# Altium PCB DIO-BNC.PCBDOC (part 2 of 3)
Units mil, origin at the board's own origin, x right, y up, seen from the top; angles counter-clockwise.
Board outline 2496.06 x 3937 mil, 4 copper layers (TopLayer, Internal Plane 2, Internal Plane 1, BottomLayer), stack 65.476 mil thick; 196 components, 123 nets, 666 pads, 397 vias.
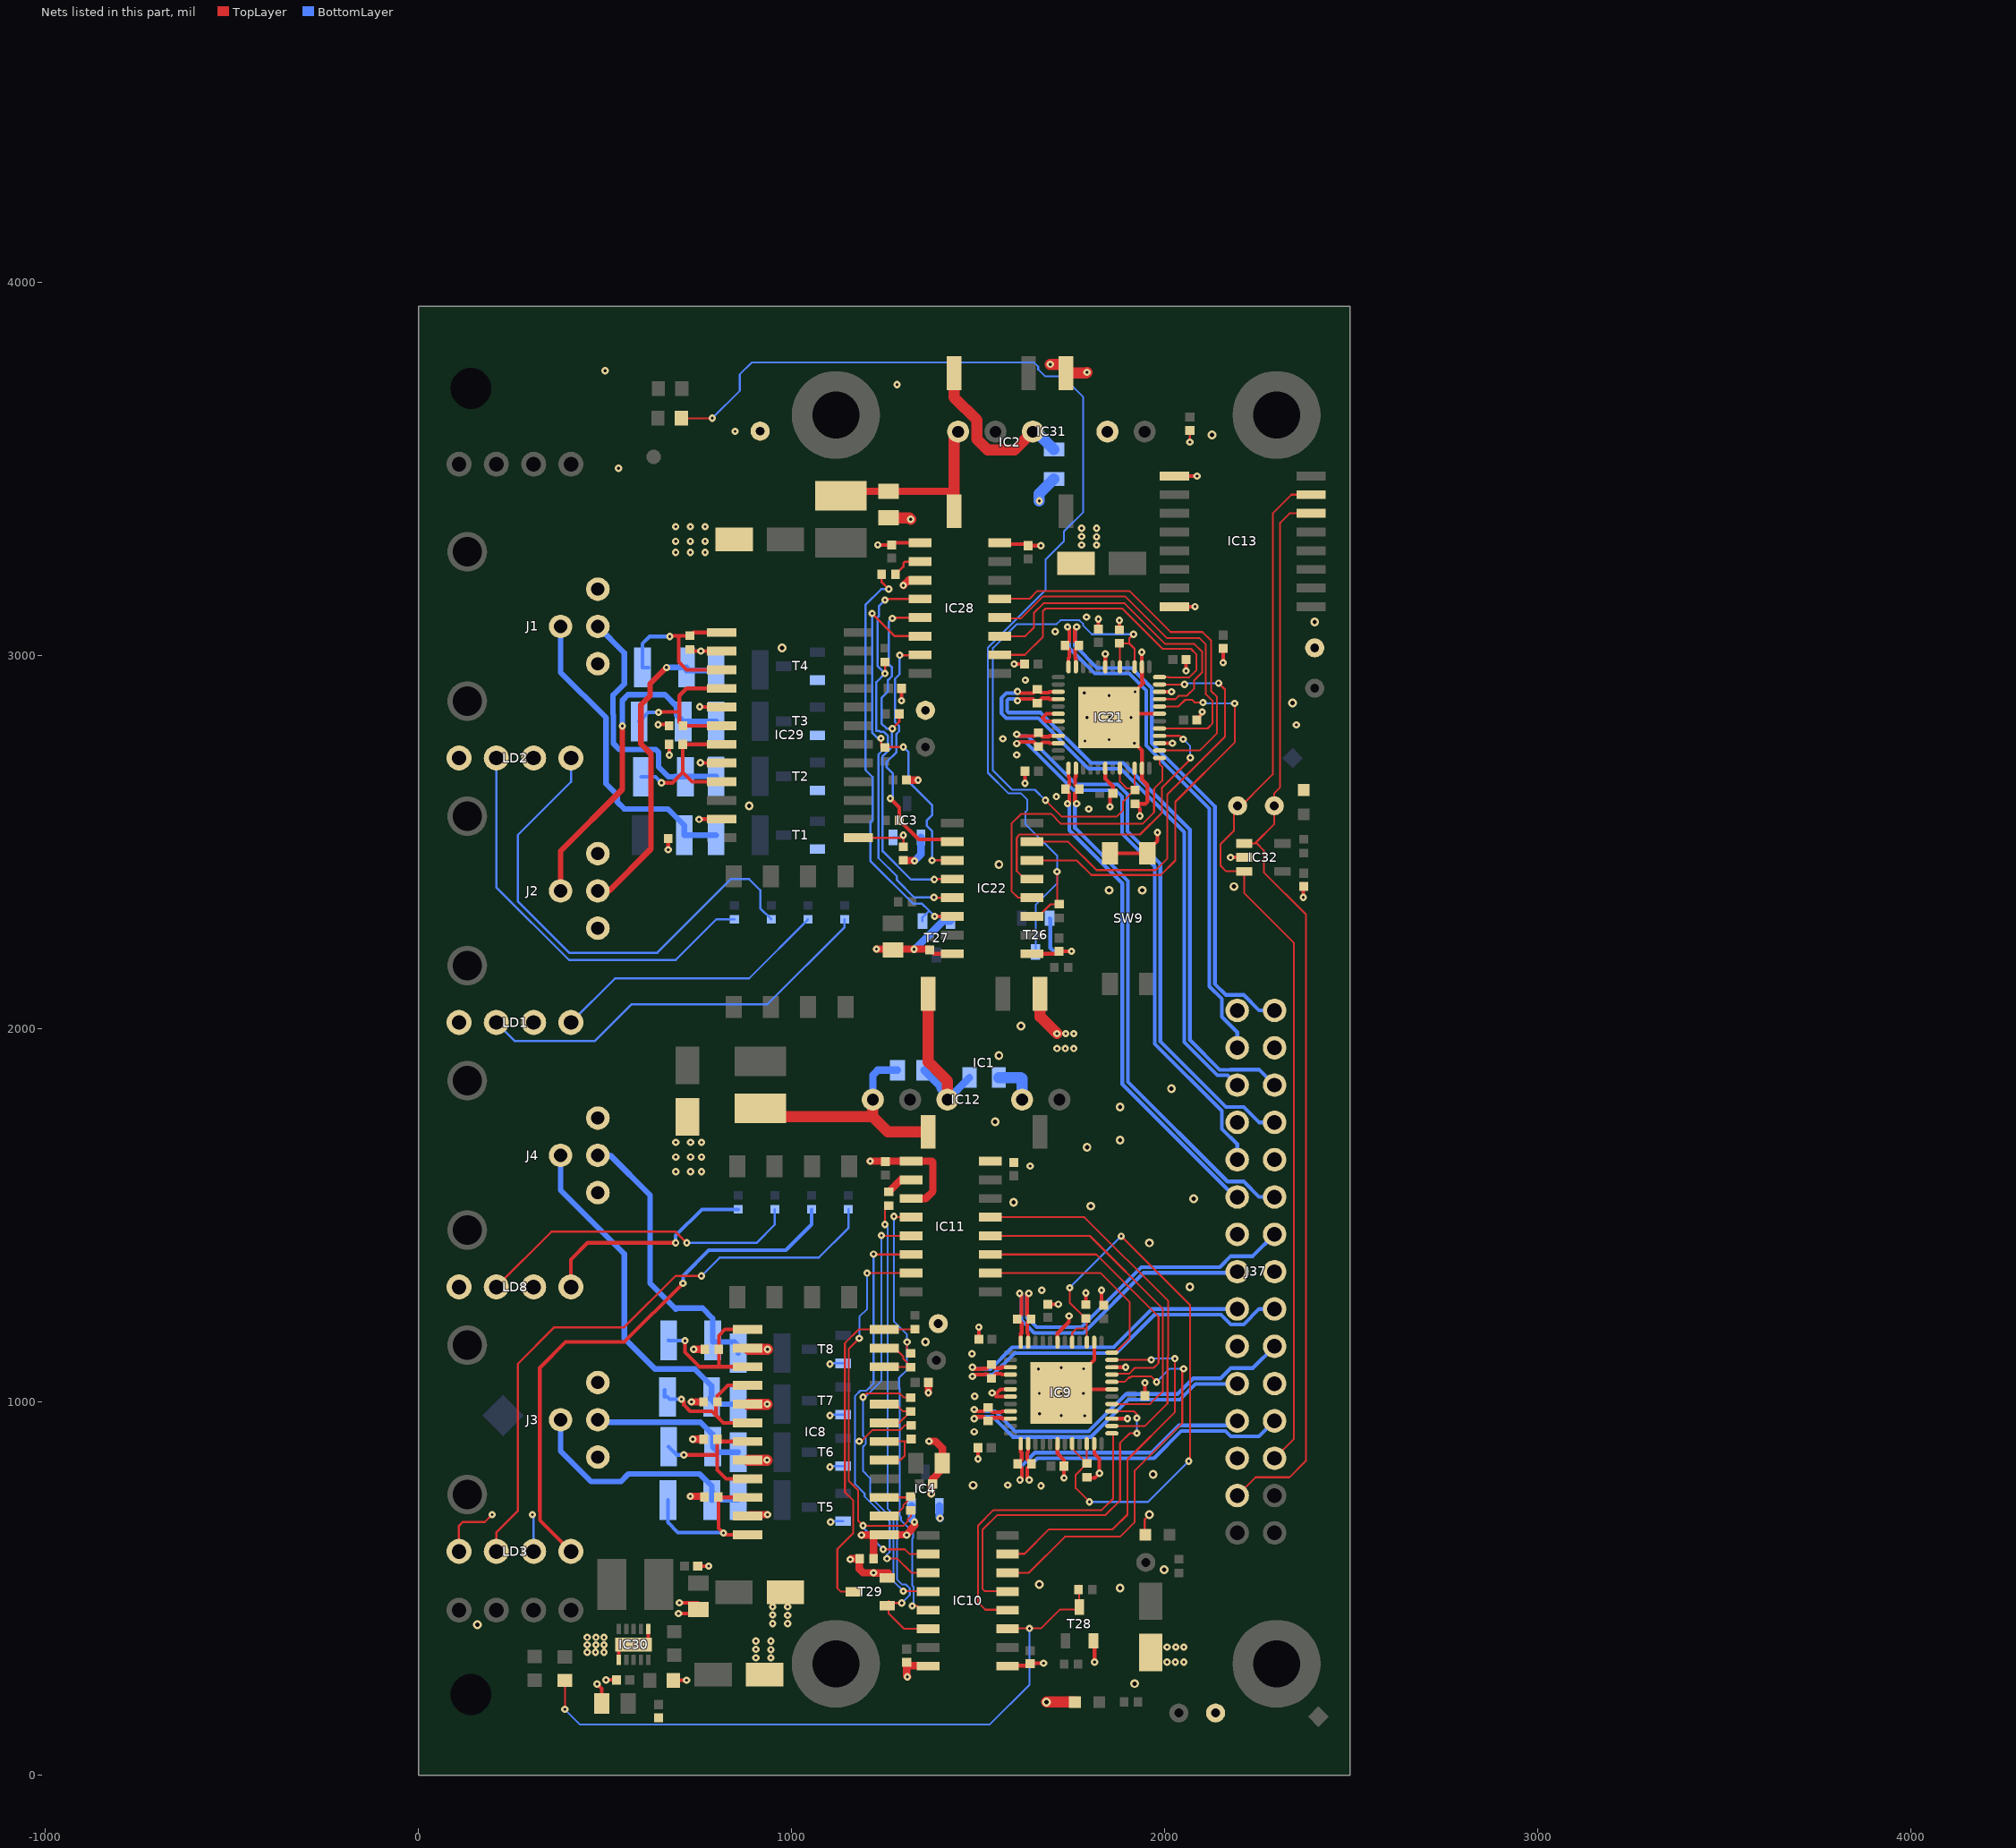
[diagram p4: the nets of this part, all layers, seen from the top]

## Via types
v1: diameter 19.68, hole 7.87, TopLayer to BottomLayer, tented both sides, 366 vias
v2: diameter 23.62, hole 11.81, TopLayer to BottomLayer, tented both sides, 31 vias

## Nets (pads, with @x,y where several pads share a name; then routed paths per layer and width w, separated by ;. In a path a pad name is that pad's centre, name@x,y a point inside that pad or via, vN(x,y) a via of type N, cw(c..) or ccw(c..) an arc to the next point about the centre after c; other vN are vias at no path point) (continued)
GND: B1.1 B2.1 B4.1 C14.1 C15.1 C16.1 C17.1 C18.2 C19.1 C20.1 C21.1 C22.1 C23.1 C24.1 C33.1 C34.2 C35.1 C36.2 C37.1 C38.1 C53.1 C54.1 C55.1 C56.1 C69.1 C70.1 C71.2 C72.1 C73.1 C74.1 C75.1 IC1.1 IC2.1 IC9.6 IC9.7 IC9.18 IC9.23 IC9.27 IC9.31 IC9.34 IC9.38 IC9.43 IC9.49 IC10.9 IC11.8 IC12.2 IC13.1 IC13.8 IC21.6 IC21.7 IC21.18 IC21.23 IC21.27 IC21.31 IC21.34 IC21.38 IC21.43 IC21.49 IC22.9 IC28.8 IC30.1 IC30.6 IC30.11 IC31.2 IC32.2 J37.1 J37.4 J37.7 J37.10 J37.13 J37.16 J37.19 J37.22 J37.25 LD4.1 LD7.1 LD9.1 R18.2 R25.2 R138.2 R152.2 R157.2 R171.2 R173.1 SW9.3 SW9.4 T26.2 T28.2 | length 3978.7
  TopLayer w6: LD7.1@1945.87,639.76 1945.87,686.02 v2(1958.66,698.82) ; v1(2066.93,3572.83) C33.1@2066.93,3604.33
  TopLayer w10: v1(478,245) 490.57,232.43 C75.1@490.57,193 ; v1(502,256) C74.1@530.28,256 ; IC30.1@536.63,309.66 536.63,343.63 IC30.11@538,345 ; IC30.6@615.37,392.34 615.37,357.63 IC30.11@617,356 ; R173.1@682.5,255 v1(718,255) ; v1(696.69,434) C73.1@749.25,434 ; v1(698.82,462.6) 748.65,462.6 C73.1@749.69,461.57 ; C21.1@748.03,561.02 781.31,561.02 v1(777.56,561.02) ; v1(1499.28,848.28) C69.1@1499.28,878 ; C70.1@1501.28,1169 v1(1501.28,1201.28) ; 1547.16,1015.16 IC9.7@1586.17,1015.16 ; 1550,1025 1559.84,1034.84 IC9.6@1586.17,1034.84 ; IC28.8@1553.16,3299.56 1629.57,3299.56 C53.1@1633.86,3295.28 v1(1667.57,3295.28) ; IC10.9@1560.3,294 1633.72,294 C22.1@1639,299.28 1640.72,301 v1(1675,301) ; v1(1596,2978) C14.1@1624.28,2978 ; v1(1625.28,2658.72) C15.1@1625.28,2691 ; v1@1636.72,1630.72 v1(1639,1633) ; IC22.9@1643.3,2202 1709.72,2202 C16.1@1716,2208.28 v1(1749.72,2208.28) ; C72.1@1686,1262.72 v1(1714.28,1262.72) ; IC9.18@1712.16,889.17 1712.16,862.84 1729.72,845.28 C24.1@1729.72,829 v1(1729.72,797.28) ; IC9.43@1712.16,1160.83 1712.16,1184.16 1743,1215 v1(1743,1231) ; IC21.7@1714.17,2825.16 1680.84,2825.16 1672,2834 1682.84,2844.84 IC21.6@1714.17,2844.84 ; IC9.49@1722,1025 IC9.49@1731.84,1034.84 ; R157.2@1788,797 1812,797 v1(1825,810) 1824.16,810.84 1824.16,848.84 1810.58,862.42 IC9.23@1810.58,889.17 ; R171.2@1788,1261.5 v1(1788,1293) ; IC9.38@1810.58,1160.83 1810.58,1113.58 IC9.49@1731.84,1034.84 ; v1(1811.4,303.6) T28.2@1811.4,353.72 ; C55.1@1822,3071.72 v1(1822,3099) ; v1(1830,1300) 1830,1265.72 C20.1@1836,1259.72 ; IC21.18@1840.16,2699.17 1840.16,2670.84 1860.72,2650.28 C54.1@1860.72,2632 1853,2624.28 v1(1853,2596) ; IC21.43@1840.16,2970.83 v1(1840.16,3005.16) ; IC31.2@1843.28,3598.28 IC31.2@1846,3601 ; SW9.4@1853,2471.2 SW9.3@1953,2471.2 ; IC9.27@1857.83,956.1 v1(1899.9,956.1) ; IC9.31@1857.83,1034.84 IC9.49@1731.84,1034.84 ; IC9.34@1857.83,1093.9 v1(1895.1,1093.9) ; R138.2@1878,3070.5 v1(1878,3095) ; v1(1933,2571) 1933,2590.5 R152.2@1920,2603.5 1947.5,2603.5 1953,2609 1953,2654 1938.58,2668.42 IC21.23@1938.58,2699.17 1938.58,2746.42 IC21.49@1850,2835 v1(1852,2837) IC21.49@1859.84,2844.84 ; v1(1938,3010) 1938,2971.41 IC21.38@1938.58,2970.83 1938.58,2931.77 1942.68,2927.68 IC21.49@1859.84,2844.84 ; C23.1@1946.72,1017 v1(1946.72,1052.28) ; SW9.3@1967,2491 1980,2504 v1(1980,2527) ; IC21.27@1985.83,2766.1 v1(2020.1,2766.1) ; IC21.31@1985.83,2844.84 IC21.49@1859.84,2844.84 ; IC21.34@1985.83,2903.9 v1(2017.9,2903.9) ; IC13.8@2025.93,3132 v1(2081,3132) ; IC13.1@2025.93,3482 v1(2086,3482) ; C19.1@2056.72,2990 2056.72,2960.28 v1(2057,2960) ; C56.1@2085.72,2828 2085.72,2830.72 2100,2845 v1(2100,2850) ; v1(2156,2982) C38.1@2156,3020.28 ; v1(2176,2460) IC32.2@2212.82,2460 ; v1(2371,2353) C37.1@2371,2389.82
  TopLayer w30: IC1.1@1665.75,2094.49 1665.75,2033.25 v1(1711,1988) ; v2(1683.07,196.85) LD4.1@1758.86,196.85 ; v1(1692.91,3781.28) 1720.69,3781.28 1734.65,3767.32 IC2.1@1734.65,3757.87 1789.37,3757.87 v1(1791.34,3759.84)
  BottomLayer w10: T26.2@1690.94,2297.28 1692.91,2295.31 1692.91,2217.59 1702.22,2208.28 v1(1749.72,2208.28)
  BottomLayer w30: R25.2@1555.12,1870.08 1614.17,1870.08 1617.32,1866.93 IC12.2@1617.32,1811.02 ; v1(1663.39,3415.35) 1663.39,3435.04 R18.2@1702.76,3474.41
  other v1: 2006,304 2028,304 2051,304 904,315 944,315 452,330 474,330 497,330 944,337 904,338 2006,344 2029,344 2051,344 452,350 475,350 497,350 904,360 944,360 452,370 475,370 497,370 949,407 989,407 989,429 949,430 949,452 989,452 1668,776 1579,778 1489,921 1785,964 1722.44,964.57 1664,969 1490,1016 1663.39,1023.62 1722.44,1023.62 1781.5,1023.62 1537,1025 1661,1089 1782,1090 1722.44,1092.52 1483,1130 1670,1300 1711,1948 1733,1948 1756,1948 1734,1988 1756,1988 1796,2590 1709,2623 1603,2735 1918,2766 1786,2772 1850.39,2775.59 1566,2778 2352.36,2814.96 1791.34,2834.65 1909.45,2834.65 1850.39,2893.7 1784,2901 1920,2904 1626,2935 1706,3065 1790,3104 1776.94,3297.11 1816.94,3297.11 1816.94,3319.11 1776.94,3320.11 1776.94,3342.11 1816.94,3342.11 536,3503 848,3602 1282,3727 500,3764
  other v2: 1919.29,246.06 157.48,403.54 1879.92,501.97 1663.39,511.81 1998.03,551.18 1486.22,777.56 1968.5,807.09 2066.93,1309.06 1958.66,1427.17 1801.18,1525.59 1594.49,1535.43 2076.77,1545.28 1791.34,1683.07 1879.92,1702.76 1545.28,1751.97 1879.92,1791.34 2017.72,1840.55 1555.12,1929.13 1614.17,2007.87 1850.39,2372.05 1938.98,2372.05 2185.04,2381.89 1555.12,2440.94 2342.52,2874.02 2401.57,3090.55 2125.98,3592.52
GND_ISO1: B10.1 C1.1 C2.1 C48.1 C49.1 C50.1 C51.1 C52.2 IC2.7 IC3.1 IC22.8 IC28.9 IC28.11 IC29.2 IC29.5 IC29.8 IC29.11 IC31.4 J1.1 J1.3 J2.1 J2.3 LD1.1 LD1.3 LD2.1 LD2.3 R12.1 R18.1 R140.1 R143.1 R146.1 R149.1 T1.2 T2.2 T3.2 T4.2 T27.2 | length 1595.9
  TopLayer w10: v1(642,2816) 668.24,2816 R146.1@671.35,2812.89 ; v1(668.86,2480.39) R140.1@668.86,2510.89 ; R143.1@670.86,2762.89 668.01,2765.74 667.32,2765.06 672,2760.38 v1(672,2734) ; R149.1@727.36,3016.89 731.36,3012.89 v1(756.36,3012.89) IC29.2@812.29,3012.89 ; v1(751.36,2561.89) 752.36,2562.89 IC29.11@812.29,2562.89 ; v1(753.36,2863.89) 754.36,2862.89 IC29.5@812.29,2862.89 ; v1(755.36,2713.89) 756.36,2712.89 IC29.8@812.29,2712.89 ; v1(1230.86,3297.55) C51.1@1267.57,3297.55 1272.86,3302.83 IC28.9@1344.28,3302.83 ; v1(1294.08,2880.17) C49.1@1294.08,2912.89 ; v1(1328,2214) 1368.28,2214 C48.1@1370,2212.28 1380.28,2202 IC22.8@1430.7,2202
  TopLayer w20: v1(1227.13,2214.33) C48.1@1370,2214.33 ; R12.1@1299.21,2451.97 1327.56,2451.97 v1(1328.74,2450.79) ; v1(1299.21,3188.98) 1313.07,3202.83 IC28.11@1344.28,3202.83 ; C50.1@1307.09,2667.32 v1(1338.58,2667.32)
  TopLayer w30: C1.1@1259.84,3370.08 1314.96,3370.08 v1(1318.9,3366.14) ; IC2.7@1434.65,3757.87 1434.65,3693.31 1496.47,3631.48 1496.47,3580.49 1525.48,3551.47 1596.47,3551.47 IC31.4@1646,3601
  BottomLayer w20: v1@1328,2214.16 1330.29,2214.16 1405.5,2289.37 T27.2@1425.2,2289.37 ; v1(1328.74,2450.79) 1346.46,2468.5 IC3.1@1346.46,2513.78
  BottomLayer w30: IC31.4@1646,3601 1654.91,3601 R18.1@1702.76,3553.15
  other v1: 688.98,3277.56 728.35,3277.56 767.72,3277.56 688.98,3307.09 728.35,3307.09 767.72,3307.09 688.98,3346.46 728.35,3346.46 767.72,3346.46
  other v2: 885.83,2598.43 974.41,3021.65
GND_ISO2: B12.1 C3.1 C4.1 C28.1 C29.1 C30.1 C31.1 C32.2 IC1.7 IC4.1 IC8.2 IC8.5 IC8.8 IC8.11 IC10.8 IC11.9 IC11.11 IC12.4 J3.1 J3.3 J4.1 J4.3 LD3.1 LD3.3 LD8.1 LD8.3 R19.1 R25.1 R159.1 R162.1 R165.1 R169.1 T5.2 T6.2 T7.2 T8.2 T29.2 | length 2013.6
  TopLayer w6: LD3.1@108.27,600.39 108.27,669.29 118.11,679.13 177.17,679.13 v1(196.85,698.82)
  TopLayer w20: v1(728.35,748.03) 764.46,748.03 R159.1@766.5,746 ; v1(731,1001) R165.1@763.5,1001 ; v1(735,901) R162.1@763.5,901 ; v1(737.22,1141.73) R169.1@767.72,1141.73 ; IC8.11@881.93,695 885.75,698.82 v1(935.08,698.82) ; v1(1157,579) 1158.71,580.71 1181.1,580.71 1181.1,553.15 1191.25,543 v1(1219,543) 1219.6,542.4 1259.28,542.4 ; v1(1210,1646) IC11.9@1319.7,1646 1375.65,1646 1377.95,1643.7 1377.95,1564.96 1358.99,1546 IC11.11@1319.7,1546 ; C28.1@1308,303.28 C28.1@1308,294 ; v1(1310,264) 1308,266 C28.1@1308,294 ; IC10.8@1347.7,294 C28.1@1308,294 ; v1(1366.14,1025.59) C30.1@1366.14,1053.15 ; v1(1368.11,895.67) 1385.33,895.67 1403.54,877.46 C3.1@1403.54,836.61 1403.54,820.83 1377.72,795 C29.1@1377.72,781 1374,777.28 v1(1374,754)
  TopLayer w30: IC8.8@881.93,845 v1(933.58,845) ; IC8.5@881.93,995 v1(934.13,995) ; IC8.2@885.2,1141.73 v1(935.04,1141.73) ; IC1.7@1365.75,2094.49 1365.75,1911.81 1417.32,1860.24 IC12.4@1417.32,1811.02
  BottomLayer w6: v1(305.12,698.82) 308.27,695.67 LD3.3@308.27,600.39 ; v1(1102.36,826.77) 1104.33,828.74 T6.2@1137.8,828.74 ; v1(1102.36,964.57) 1104.33,966.54 T7.2@1137.8,966.54 ; v1(1102.36,1102.36) 1104.33,1104.33 T8.2@1137.8,1104.33 ; v1(1104.33,679.13) 1106.3,681.1 T5.2@1137.8,681.1
  BottomLayer w20: C4.1@1354.33,1889.76 1397.64,1846.46 1397.64,1840.55 1417.32,1820.87 IC12.4@1417.32,1811.02 R25.1@1476.38,1870.08 ; IC4.1@1395.67,722.44 1395.67,690.94 v1(1397.64,688.98)
  other v1: 689.41,1617.87 728.78,1617.87 758.31,1617.87 689.41,1657.24 728.78,1657.24 758.31,1657.24 689.41,1696.61 728.78,1696.61 758.31,1696.61
  other v2: 1358.27,1161.42
I2C_SCL: B8.1 IC13.14 IC32.1 J37.27 | length 2946.1
  TopLayer w5: J37.27@2194,750 2243,799 2334,799 2378,843 2378,2307 2265,2420 2265,2479 2246.6,2497.4 2241.5,2497.4 ; IC32.1@2212.82,2497.4 2241.5,2497.4 ; IC13.14@2392.07,3382 2334,3382 2309,3357 2309,2647.64 2293.31,2631.94 B8.1@2293.31,2598.43 2293.31,2549.21 2241.5,2497.4
I2C_SDA: B7.1 IC13.15 IC32.3 J37.26 | length 2845.3
  TopLayer w5: J37.26@2294,850 2346,902 2346,2230.77 2212.82,2363.95 IC32.3@2212.82,2422.6 2164.4,2422.6 2149,2438 2149,2496 2185,2532 2185,2578.7 2289,2682.7 2289,3382 2339,3432 IC13.15@2392.07,3432
IO0: J1.4 R13.1 R139.2 | length 850.4
  BottomLayer w15: J1.4@380.31,3078.98 380.31,2956.3 501.97,2834.65 501.97,2657.48 532,2627.45 532,2609 551,2590 668,2590 712.06,2545.94 R13.1@712.06,2519.68 R139.2@797.24,2519.68
IO1: J1.2 R14.1 R142.2 | length 720.3
  BottomLayer w15: J1.2@480.31,3078.98 551.18,3008.12 551.18,2925 521,2894.82 521,2843.9 521.97,2842.93 521.97,2765.03 538,2749 636,2749 643,2742 643,2703 670,2676 R14.1@715.06,2676 ; 686,2677.17 R142.2@797.24,2677.17
IO2: J2.4 R15.1 R145.2 | length 880.8
  TopLayer w15: J2.4@380.31,2370.32 380.31,2476.77 546,2642.46 v1(546,2812)
  BottomLayer w15: v1(546,2812) 546,2881 561,2896 660,2896 691,2865 691,2842.06 R15.1@708.25,2824.8 ; R15.1@709.06,2824 R15.1@708.25,2824.8 ; R145.2@797.24,2824.8 R15.1@708.25,2824.8
IO3: J2.2 R16.1 R148.2 | length 848
  TopLayer w15: J2.2@480.31,2370.32 510.09,2370.32 622.74,2482.97 622.74,2737.26 596,2764 596,2868.92 620.08,2893 620.08,2924.68 v1(664.4,2969)
  BottomLayer w15: v1(664.4,2969) R16.1@718.06,2969 ; R16.1@718.06,2961.05 795.7,2961.05 R148.2@797.24,2962.6
IO4: J3.4 R20.1 R158.2 | length 661.3
  BottomLayer w15: J3.4@380.31,953 380.31,869.69 462.6,787.4 542,787.4 562.6,808 753,808 786.06,774.94 R20.1@786.06,759.22 ; R20.1@786.06,738 R20.1@786.06,759.22 ; R158.2@856.3,738.19 807.09,738.19 R20.1@786.06,759.22
IO5: J3.2 R21.1 R161.2 | length 431.3
  BottomLayer w15: J3.2@480.31,953 486.66,946.65 755.35,946.65 788.06,913.94 R21.1@788.06,881 802.91,866.14 R161.2@856.3,866.14
IO6: J4.4 R22.1 R164.2 | length 959.1
  BottomLayer w15: J4.4@380.31,1661.66 380.31,1568.51 551.18,1397.64 551.18,1171.26 633.44,1089 740,1089 785.06,1043.94 R22.1@785.06,1014 ; R22.1@781.2,1010.14 796.34,995 R164.2@856.3,995
IO7: J4.2 R23.1 R168.2 | length 776.5
  BottomLayer w15: J4.2@480.31,1661.66 513.54,1661.66 620.08,1555.12 620.08,1318.9 689.49,1249.49 ; 692,1252 761,1252 788.06,1224.94 R23.1@788.06,1166 ; R23.1@788.06,1161.42 846.46,1161.42 856.3,1151.57 R168.2@856.3,1131.89
LED0: LD2.2 R1.2 | length 1110.5
  BottomLayer w6: LD2.2@208.27,2726.38 208.27,2380.32 403.54,2185.04 688.98,2185.04 798.43,2294.49 R1.2@846.46,2294.49
LED1: LD2.4 R2.2 | length 1333.1
  BottomLayer w6: LD2.4@408.27,2726.38 408.27,2662.2 265.75,2519.68 265.75,2342.52 403.54,2204.72 639.76,2204.72 836.61,2401.57 885.83,2401.57 915.35,2372.05 915.35,2324.02 R2.2@944.88,2294.49
LED2: LD1.4 R3.2 | length 750.4
  BottomLayer w6: LD1.4@408.27,2017.72 526.38,2135.83 885.83,2135.83 1043.31,2293.31 R3.2@1043.31,2294.49
LED3: LD1.2 R4.2 | length 1101.1
  BottomLayer w6: LD1.2@208.27,2017.72 257.48,1968.5 472.44,1968.5 570.87,2066.93 935.04,2066.93 1141.73,2273.62 R4.2@1141.73,2294.49
LED4: LD8.4 R5.2 | length 588.8
  TopLayer w10: LD8.4@408.27,1309.06 408.27,1382.68 452.76,1427.17 v1(688.98,1427.17)
  BottomLayer w10: v1(688.98,1427.17) 688.98,1446.85 759.06,1516.93 R5.2@856.3,1516.93
LED5: LD8.2 R7.2 | length 880.8
  TopLayer w6: LD8.2@208.27,1309.06 355.91,1456.69 688.98,1456.69 v1(718.5,1427.17)
  BottomLayer w6: v1(718.5,1427.17) 905.51,1427.17 954.72,1476.38 R7.2@954.72,1516.93
LED6: LD3.4 R9.2 | length 1466.1
  TopLayer w10: LD3.4@408.27,600.39 324.96,683.7 324.96,707.04 324.8,707.2 324.8,1092.52 393.7,1161.42 551.18,1161.42 v1(708.66,1318.9)
  BottomLayer w10: v1(708.66,1318.9) 708.66,1338.58 777.56,1407.48 984.25,1407.48 1053.15,1476.38 R9.2@1053.15,1516.93
LED7: LD3.2 R11.2 | length 1612.8
  TopLayer w6: LD3.2@208.27,600.39 208.27,651.18 265.75,708.66 265.75,1102.36 364.17,1200.79 551.18,1200.79 688.98,1338.58 v1(757.87,1338.58)
  BottomLayer w6: v1(757.87,1338.58) 807.09,1387.8 1072.83,1387.8 1151.57,1466.54 R11.2@1151.57,1516.93
LVDS0_N: IC21.48 J37.3 R141.2 | length 1491.7
  TopLayer w10: v1(1739.16,3078) 1744,3073.16 1744,3039.5 R141.2@1732.5,3028 1744.07,3016.42 1744.07,2995.89 1741.73,2993.54 IC21.48@1741.73,2970.83
  BottomLayer w10: v1(1739.16,3078) 1741,3078 1744,3075 1744,3020.72 1811.91,2952.81 1904.98,2952.81 1949.89,2907.89 1949.89,2760.11 2119,2591 2119,2114.4 2152.51,2080.89 2152.51,2032.81 2194,1991.32 J37.3@2194,1950
LVDS0_P: IC21.47 J37.2 R141.1 | length 1478.4
  TopLayer w10: IC21.47@1761.42,2970.83 1761.42,2993.54 1759.07,2995.89 1759.07,3017.57 R141.1@1769.5,3028 1759,3038.5 1759,3073.16 v1(1763.84,3078)
  BottomLayer w10: v1(1763.84,3078) 1762,3078 1759,3075 1759,3026.94 1818.13,2967.81 1911.19,2967.81 1964.89,2914.11 1964.89,2766.32 2134,2597.21 2134,2120.61 2163.11,2091.5 2211.19,2091.5 2252.69,2050 J37.2@2294,2050
LVDS1_N: IC21.4 J37.6 R144.2 | length 1650
  TopLayer w10: v1(1605,2880.16) 1605,2885 1646.5,2885 R144.2@1658,2873.5 1663,2878.5 1663,2878.56 1671,2886.56 1689.11,2886.56 1691.46,2884.21 IC21.4@1714.17,2884.21
  BottomLayer w10: v1(1605,2880.16) 1605.92,2881.08 1603.13,2881.08 1599.21,2885 1581,2885 1577,2881 1577,2852.21 1581.21,2848 1667,2848 1802,2713 1888.21,2713 2067,2534.21 2067,1971 2147,1891 2176.32,1891 2176.81,1891.5 2252.51,1891.5 J37.6@2294,1850
LVDS1_P: IC21.3 J37.5 R144.1 | length 1589.7
  TopLayer w10: v1(1605,2904.84) 1605,2902.06 1607.06,2900 1647.5,2900 R144.1@1658,2910.5 1666.95,2901.56 1689.11,2901.56 1691.46,2903.9 IC21.3@1714.17,2903.9
  BottomLayer w10: v1(1605,2904.84) 1605.92,2903.92 1602,2900 1574.79,2900 1562,2887.21 1562,2846 1575,2833 1660.79,2833 1795.79,2698 1882,2698 2052,2528 2052,1964.79 2140.79,1876 2168,1876 J37.5@2194,1850
LVDS2_N: IC21.10 J37.9 R147.2 | length 1571.4
  TopLayer w10: v1(1603,2765.16) 1607.84,2770 1648.5,2770 R147.2@1661,2757.5 1671.95,2768.44 1689.11,2768.44 1691.46,2766.1 IC21.10@1714.17,2766.1
  BottomLayer w10: v1(1603,2765.16) 1603,2768 1605,2770 1626,2770 1755.5,2640.5 1867.5,2640.5 1885,2623 1885,2523.79 1973,2435.79 1973,1960.4 2152.51,1780.89 2152.51,1732.81 2194,1691.32 J37.9@2194,1650
LVDS2_P: IC21.9 J37.8 R147.1 | length 1582.6
  TopLayer w10: v1(1603,2789.84) 1607.84,2785 1651.5,2785 R147.1@1661,2794.5 1672.06,2783.44 1689.11,2783.44 1691.46,2785.79 IC21.9@1714.17,2785.79
  BottomLayer w10: v1(1603,2789.84) 1603,2787 1605,2785 1632.21,2785 1761.71,2655.5 1873.71,2655.5 1900,2629.21 1900,2530 1988,2442 1988,1966.61 2163.11,1791.5 2211.19,1791.5 2252.69,1750 J37.8@2294,1750
LVDS3_N: IC21.14 J37.12 R151.2 | length 1434.9
  TopLayer w10: IC21.14@1761.42,2699.17 1761.42,2676.46 1759.07,2674.11 1759.07,2654.43 R151.2@1770.5,2643 1759,2631.5 1759,2608.84 v1(1763.84,2604)
  BottomLayer w10: v1(1763.84,2604) 1759,2599.16 1759,2539 1901,2397 1901,1858.21 2167.72,1591.5 2211.19,1591.5 2252.69,1550 J37.12@2294,1550
LVDS3_P: IC21.13 J37.11 R151.1 | length 1352.8
  TopLayer w10: v1(1739.16,2604) 1744,2608.84 1744,2632.5 R151.1@1733.5,2643 1744.07,2653.58 1744.07,2674.11 1741.73,2676.46 IC21.13@1741.73,2699.17
  BottomLayer w10: v1(1739.16,2604) 1744,2599.16 1744,2532.79 1886,2390.79 1886,1852 2188,1550 J37.11@2194,1550
LVDS4_N: IC9.48 J37.15 R160.2 | length 879.5
  TopLayer w10: v1(1610.66,1292) 1613.5,1292 1615.5,1290 1615.5,1235 1604.5,1224 1616.07,1212.42 1616.07,1185.89 1613.73,1183.54 IC9.48@1613.73,1160.83
  BottomLayer w10: v1(1610.66,1292) 1615.5,1287.16 1615.5,1220.29 1649.79,1186 1782,1186 1943,1347 2191,1347 J37.15@2194,1350
LVDS4_P: IC9.47 J37.14 R160.1 | length 989.4
  TopLayer w10: IC9.47@1633.42,1160.83 1633.42,1183.54 1631.07,1185.89 1631.07,1213.57 1641.5,1224 1630.5,1235 1630.5,1290 1632.5,1292 v1(1635.34,1292)
  BottomLayer w10: v1(1635.34,1292) 1630.5,1287.16 1630.5,1226.5 1656,1201 1775.79,1201 1936.79,1362 2147.32,1362 2176.81,1391.5 2235.5,1391.5 J37.14@2294,1450
LVDS5_N: IC9.4 J37.18 R163.2 | length 1022.7
  TopLayer w10: v1(1484,1069.16) 1484,1070 1488,1074 1516.5,1074 1518,1075.5 1524,1075.5 R163.2@1535,1064.5 1547.06,1076.56 1561.11,1076.56 1563.46,1074.21 IC9.4@1586.17,1074.21
  BottomLayer w10: v1(1484,1069.16) 1488.84,1074 1539.21,1074 1597.21,1132 1869.21,1132 1972.21,1235 2150.32,1235 2176.81,1208.51 2211.19,1208.51 2252.69,1250 J37.18@2294,1250
LVDS5_P: IC9.3 J37.17 R163.1 | length 893.6
  TopLayer w10: v1(1484,1093.84) 1484,1093 1488,1089 1510.29,1089 1511.79,1090.5 1524,1090.5 R163.1@1535,1101.5 1544.95,1091.56 1561.11,1091.56 1563.46,1093.9 IC9.3@1586.17,1093.9
  BottomLayer w10: v1(1484,1093.84) 1488.84,1089 1533,1089 1591,1147 1863,1147 1966,1250 J37.17@2194,1250
LVDS6_N: IC9.10 J37.21 R166.2 | length 898.3
  TopLayer w10: v1(1489,956.16) 1493.84,961 1514,961 1525.5,949.5 R166.2@1526,949.5 1534.95,958.44 1561.11,958.44 1563.46,956.1 IC9.10@1586.17,956.1
  BottomLayer w10: v1(1489,956.16) 1489,958 1492,961 1539,961 1593,907 1802,907 1902,1007 2040.21,1007 2082.21,1049 2193,1049 J37.21@2194,1050
LVDS6_P: IC9.9 J37.20 R166.1 | length 1034.8
  TopLayer w10: v1(1489,980.84) 1493.84,976 1514,976 1524.5,986.5 1537.56,973.44 1561.11,973.44 1563.46,975.79 IC9.9@1586.17,975.79
  BottomLayer w10: v1(1489,980.84) 1489,979 1492,976 1545.21,976 1599.21,922 1795.79,922 1895.79,1022 2034,1022 2076,1064 2149.32,1064 2176.81,1091.5 2235.5,1091.5 J37.20@2294,1150
LVDS7_N: IC9.14 J37.24 R170.2 | length 871.5
  TopLayer w10: IC9.14@1633.42,889.17 1633.42,866.46 1631.07,864.11 1631.07,846.43 R170.2@1642.5,835 1631.5,824 1631.5,794 1633.5,792 v1(1636.34,792)
  BottomLayer w10: v1(1636.34,792) 1631.5,796.84 1631.5,823.5 1658,850 1971,850 2044,923 2162.32,923 2176.81,908.51 2252.51,908.51 J37.24@2294,950
LVDS7_P: IC9.13 J37.23 R170.1 | length 777.8
  TopLayer w10: v1(1611.66,792) 1614.5,792 1616.5,794 1616.5,824 R170.1@1605.5,835 1616.07,845.58 1616.07,864.11 1613.73,866.46 IC9.13@1613.73,889.17
  BottomLayer w10: v1(1611.66,792) 1616.5,796.84 1616.5,829.71 1651.79,865 1964.79,865 2037.79,938 2182,938 J37.23@2194,950
NetC1_2: C1.2 IC2.8 IC31.6 L2.2 | length 480.8
  TopLayer w20: L2.2@1131.89,3429.13 1143.7,3440.94 C1.2@1259.84,3440.94 1428.74,3440.94 1434.65,3435.04
  TopLayer w30: 1434.65,3435.04 1434.65,3589.65 IC31.6@1446,3601
NetC4_2: C4.2 IC1.8 IC12.6 L3.2 | length 659.8
  TopLayer w30: L3.2@915.35,1787.4 937.8,1764.96 1217.32,1764.96 ; IC12.6@1217.32,1811.02 1217.32,1764.96 ; IC1.8@1365.75,1724.41 1257.87,1724.41 1217.32,1764.96
  BottomLayer w20: IC12.6@1217.32,1811.02 1217.32,1876.77 1230.31,1889.76 C4.2@1283.46,1889.76
NetIC3_2: IC3.2 IC29.13 R12.2 | length 184.3
  TopLayer w6: IC29.13@1178.43,2512.89 1292.42,2512.89 v1(1299.21,2519.68) R12.2@1299.21,2488.98
  BottomLayer w6: IC3.2@1271.65,2513.78 1293.31,2513.78 v1(1299.21,2519.68)
NetIC4_2: IC4.2 IC8.13 R19.2 | length 266.5
  TopLayer w20: v1(1187,644) 1187.45,644.45 1218.74,644.45 IC8.13@1219.29,645 ; R19.2@1219.29,580.71 IC8.13@1219.29,645 ; v1@1329.92,670.76 1320.19,661.02 1320.19,658.19 1307,645 IC8.13@1248.07,645 IC8.13@1219.29,645
  BottomLayer w20: IC4.2@1320.87,722.44 1320.87,687.01 v1(1328.74,679.13)
  other v1: 1308,644
NetIC8_1: IC8.1 IC8.3 R23.2 R169.2 | length 427.3
  TopLayer w10: v1(714,1165) 714,1134 753,1095 804.61,1095 ; IC8.3@881.93,1095 804.61,1095 ; IC8.1@881.93,1195 820.98,1195 804.72,1178.74 R169.2@804.72,1141.73 804.61,1141.61 804.61,1095
  BottomLayer w10: R23.2@669.94,1166 670.94,1165 v1(714,1165)
NetIC8_4: IC8.4 IC8.6 R22.2 R165.2 | length 414.7
  TopLayer w10: v1(704,1008) 711,1001 711,992.72 727.72,976 785.81,976 797.24,964.57 ; IC8.6@881.93,945 816.81,945 797.24,964.57 ; IC8.4@881.93,1045 828.46,1045 800.5,1017.04 R165.2@800.5,1001 797.24,997.74 797.24,964.57
  BottomLayer w10: R22.2@659.45,1014 R22.2@659.45,1033.46 ; R22.2@666.94,1014 672.94,1008 v1(704,1008)
NetIC8_7: IC8.7 IC8.9 R21.2 R162.2 | length 397.7
  TopLayer w10: v1(711,859) 799.5,859 800.5,858 ; IC8.9@881.93,795 824,795 800.5,818.5 800.5,858 ; IC8.7@881.93,895 806.5,895 R162.2@800.5,901 800.5,858
  BottomLayer w10: R21.2@669.94,881 691.94,859 v1(711,859)
NetIC8_10: IC8.10 IC8.12 R20.2 R159.2 | length 468.4
  TopLayer w10: IC8.12@881.93,645 821.54,645 v1(816.93,649.61) 803.5,663.03 R159.2@803.5,746 804.5,745 IC8.10@881.93,745
  BottomLayer w10: R20.2@667.94,738 667.94,678.06 695,651 815.54,651 v1(816.93,649.61)
NetIC8_14: IC8.14 IC8.15 R30.1 | length 173.2
  TopLayer w5: IC8.15@1245.07,748 IC8.15@1248.07,745 1317.05,745 R30.1@1318.9,746.85 1318.9,744.09 1299.19,724.39 1299.19,718.48 1275.71,695 IC8.14@1248.07,695
NetIC8_17: IC8.17 IC8.18 R31.1 | length 172.5
  TopLayer w5: IC8.17@1248.07,845 1291,845 1303,857 1303,895 ; IC8.18@1248.07,895 1303,895 ; R31.1@1320,901.5 1313.5,895 1303,895
NetIC8_19: IC8.19 IC8.20 R32.1 | length 162.4
  TopLayer w5: IC8.19@1248.07,945 1288.31,945 R32.1@1318.9,975.59 1298.03,975.59 1278.62,995 IC8.20@1248.07,995
NetIC8_22: IC8.22 IC8.23 R33.1 | length 168.5
  TopLayer w5: IC8.22@1248.07,1095 1317.6,1095 R33.1@1318.9,1093.7 1318.9,1096.46 1299.19,1116.16 1299.19,1122.07 1276.26,1145 IC8.23@1248.07,1145
NetIC8_24: IC8.24 R172.1 T29.3 | length 939.9
  TopLayer w5: T29.3@1165.35,492.13 1131.89,492.13 1122.05,501.97 1122.05,606.55 1165.1,649.61 1165.1,736.37 1142.56,758.91 1142.56,1158.56 1179,1195 IC8.24@1248.07,1195 1335.5,1195 R172.1@1336,1195.5
NetIC9_20: IC9.20 IC9.22 IC9.39 IC9.41 R157.1 R171.1 | length 1673.6
  TopLayer w5: v1(1745,1307) 1745,1267 1787.5,1224.5 R171.1@1788,1224.5 1790.9,1221.6 1790.9,1198 ; IC9.20@1751.53,889.17 1751.53,875.47 1790.9,836.1 IC9.22@1790.9,889.17 ; IC9.41@1751.53,1160.83 1751.53,1185.53 1764,1198 1790.9,1198 ; R157.1@1790,834.5 1761,805.5 1761,770 v1(1798,733) ; IC9.39@1790.9,1160.83 1790.9,1198 ; v1(1883,1445) 2068,1260 2068,846 v1(2064,842)
  BottomLayer w5: v1(1745,1307) v1(1883,1445) ; v1(1798,733) 1955,733 v1(2064,842)
NetIC9_25: IC9.25 IC10.12 | length 843.7
  TopLayer w5: IC10.12@1560.3,444 1519,444 1499,464 1499,669 1541,711 1831,711 1861.34,741.34 1861.34,913.22 IC9.25@1857.83,916.73
NetIC9_26: IC9.26 IC11.5 | length 1019.3
  TopLayer w5: IC11.5@1532.3,1496 1784,1496 2009,1271 2009,1122.69 2007.07,1120.77 2007.07,996.55 1946.94,936.42 IC9.26@1857.83,936.42
NetIC9_28: IC9.28 IC10.13 | length 942.6
  TopLayer w5: IC10.13@1560.3,494 1517,494 1511,500 1511,658 1551,698 1841,698 1880,737 1880,891 1906,917 v1(1925,917) ; IC9.28@1857.83,975.79 1917,975.79 1925,967.79 v1(1925,958)
  BottomLayer w5: v1(1925,917) v1(1925,958)
NetIC9_29: IC9.29 IC11.4 | length 915.3
  TopLayer w5: IC11.4@1532.3,1446 1799,1446 1994.87,1250.13 1994.87,1029.87 1960.47,995.47 IC9.29@1857.83,995.47
NetIC9_32: IC9.32 IC10.14 | length 1099.8
  TopLayer w5: IC10.14@1560.3,544 IC10.14@1578.3,544 ; IC10.14@1578.3,543 1635.52,543 1732.28,639.76 1879.92,639.76 1919.29,679.13 1919.29,816.93 2046.66,944.3 2046.66,1086.66 v1(2050,1090) ; IC9.32@1857.83,1054.53 1892,1054.53 1903.82,1066.34 1907.82,1066.34 1911.1,1069.63 1962.43,1069.63 v1(1977.53,1054.53)
  BottomLayer w5: v1(1977.53,1054.53) 2013,1090 v1(2050,1090)
NetIC9_33: IC9.33 IC11.3 | length 781.8
  TopLayer w5: IC11.3@1532.3,1396 1816,1396 1983,1229 1983,1105 1970,1092 1919.33,1092 1903.67,1076.34 1859.96,1076.34 IC9.33@1857.83,1074.21
NetIC9_35: IC9.35 IC10.15 | length 1024.3
  TopLayer w5: IC10.15@1560.3,594 1624.02,594 1689.46,659.45 1860.24,659.45 1899.61,698.82 1899.61,846.46 2027,973.85 v1(2027,1117) ; IC9.35@1857.83,1113.58 v1(1963.58,1113.58)
  BottomLayer w5: v1(1963.58,1113.58) 1967,1117 v1(2027,1117)
NetIC9_36: IC9.36 IC11.2 | length 558.6
  TopLayer w5: IC11.2@1532.3,1346 1828,1346 1906,1268 1906,1172 IC9.36@1866,1132
NetIC10_2: IC10.2 IC11.15 R30.2 | length 1198.1
  TopLayer w5: v1(1181.1,1171.26) 1152.56,1142.72 1152.56,789.37 1178,763.93 1178,682.24 v1(1190.94,669.29) 1299.21,669.29 1311.4,681.47 1311.4,686.32 1318.9,693.82 R30.2@1318.9,709.84 ; v1(1202,1346) IC11.15@1319.7,1346 ; v1(1245,606) 1303,606 1316,593 IC10.2@1365.7,593
  BottomLayer w5: v1(1181.1,1171.26) 1181.1,1229.1 1202,1250 v1(1202,1346) ; v1@1188.59,666.94 1204.34,651.18 1204.34,646.66 v1(1245,606)
NetIC10_3: IC10.3 IC11.14 R31.2 | length 1271.7
  TopLayer w5: v1(1181.1,895.67) 1186.95,895.67 1216.97,925.69 1290.55,925.69 1303.36,938.5 R31.2@1320,938.5 ; v1(1219,1397) 1220,1396 IC11.14@1319.7,1396 ; v1(1255,581) 1283,581 1321,543 IC10.3@1365.7,543
  BottomLayer w5: v1(1219,1397) 1219.34,1396.66 1219.34,1050.67 1199.79,1031.12 1183.76,1031.12 1169.66,1017.02 1169.66,780.87 1195.34,755.18 1195.34,747.66 1262.34,680.66 1262.34,598.82 1255,591.47 v1(1255,581)
NetIC10_4: IC10.4 IC11.13 R32.2 | length 1311.4
  TopLayer w5: v1(1190.94,1013.78) 1200.79,1023.62 1289.37,1023.62 1300.39,1012.6 R32.2@1318.9,1012.6 ; v1(1240,1447) 1241,1446 IC11.13@1319.7,1446 ; v1(1299,494) 1364.7,494 IC10.4@1365.7,493
  BottomLayer w5: v1(1240,1447) 1240,1057.19 1196.59,1013.78 v1(1190.94,1013.78) 1190.94,910.35 1198.44,902.85 1198.44,888.48 1191,881.04 1191,815.53 1210,796.53 1210,747.14 1272.34,684.8 1272.34,520.66 v1(1299,494)
NetIC10_5: IC10.5 IC11.12 R33.2 | length 1215.3
  TopLayer w5: v1(1274,1498) 1276,1496 IC11.12@1319.7,1496 ; v1(1309.06,1161.42) 1309.06,1140.55 R33.2@1318.9,1130.71 ; v1(1323,454) 1337,454 1348,443 IC10.5@1365.7,443
  BottomLayer w5: v1(1274,1498) 1274,1216.16 1309.06,1181.1 v1(1309.06,1161.42) 1309.06,1087.06 1287.66,1065.66 1287.66,1038.82 1289.37,1037.1 1289.37,696.06 1292.34,693.08 1292.34,684.18 1325.34,651.18 1325.34,636.82 1323,634.47 1323,508.67 1326.34,505.33 1326.34,457.34 v1(1323,454)
NetIC10_6: IC10.6 R24.1 T29.1 | length 1306.4
  TopLayer w5: v1(1250,1476.38) 1250,1516.93 R24.1@1259.84,1526.77 ; v1(1295,462) 1264.87,462 1259.28,467.6 1259.28,434.72 1301,393 IC10.6@1365.7,393
  BottomLayer w5: v1(1250,1476.38) 1256.66,1469.72 1256.66,1454.87 1257.34,1454.18 1257.34,1439.82 1256.66,1439.13 1256.66,714.63 1282.34,688.94 1282.34,524.8 1295.8,511.34 1306.18,511.34 1316.34,501.18 1316.34,483.34 v1(1295,462)
NetIC10_11: IC10.11 R154.2 R155.1 T28.3 | length 1835.5
  TopLayer w5: v1(392,177) R154.2@392,254.5 ; IC10.11@1560.3,394 v1(1637,394) 1668,394 1718.28,444.28 1774,444.28 1770.5,447.77 R155.1@1770.5,509
  BottomLayer w5: v1(392,177) 433,136 1530,136 1637,243 v1(1637,394)
NetIC11_10: IC11.10 R24.2 | length 73.2
  TopLayer w20: R24.2@1259.84,1563.78 1292.06,1596 IC11.10@1319.7,1596
NetIC21_20: IC21.20 IC21.22 IC21.39 IC21.41 R138.1 R152.1 | length 1560.3
  TopLayer w5: v1(1680,2613) 1724,2569 1870,2569 1888,2587 1888,2610 1918.5,2640.5 R152.1@1918.9,2640.5 ; IC21.20@1879.53,2699.17 1879.53,2663.47 1898,2645 1914.4,2645 R152.1@1918.9,2640.5 ; IC21.41@1879.53,2970.83 1879.53,3031.97 R138.1@1878,3033.5 1904.5,3033.5 ; v1(1916,3058) 1904.5,3046.5 1904.5,3033.5 ; IC21.22@1918.9,2699.17 R152.1@1918.9,2640.5 ; IC21.39@1918.9,2970.83 1918.9,3019.1 1904.5,3033.5 ; R152.1@1920,2640.5 R152.1@1918.9,2640.5
  BottomLayer w5: v1(1680,2613) 1651.63,2641.37 1590.63,2641.37 1539,2693 1539,3020.92 1603.49,3085.41 1709.94,3085.41 1720.1,3095.57 1770.8,3095.57 1781.19,3085.18 1781.19,3081.02 1804.2,3058 v1(1916,3058)
NetIC21_25: IC21.25 IC22.12 | length 818.1
  TopLayer w5: IC22.12@1643.3,2352 1607,2352 1589,2370 1589,2551 1614.66,2576.66 1621.36,2576.66 1621.7,2577 1695,2577 1722,2550 1940,2550 1971,2581 1971,2644 1993,2666 1993,2703 1985.83,2710.17 IC21.25@1985.83,2726.73 IC21.25@1986.34,2726.22
NetIC21_26: IC21.26 IC28.5 | length 1059.1
  TopLayer w5: IC28.5@1556.87,3152.83 1637.09,3152.83 1658.25,3174 1905,3174 2015,3064 2101,3064 2124,3041 2124,2906 2140,2890 2140,2793 2093.42,2746.42 IC21.26@1985.83,2746.42
NetIC21_28: IC21.28 IC22.13 | length 859.5
  TopLayer w5: IC22.13@1643.3,2402 1624.6,2402 1603,2423.6 1603,2512 1605.29,2514.29 1605.29,2516.92 1609.68,2521.31 1933.31,2521.31 1992,2580 1992,2647 2068,2723 v1(2068,2727) ; IC21.28@1985.83,2785.79 2040.21,2785.79 v1(2049,2777)
  BottomLayer w5: v1(2049,2777) 2068,2758 v1(2068,2727)
NetIC21_29: IC21.29 IC28.4 | length 998.1
  TopLayer w5: IC28.4@1556.87,3102.83 1559.31,3100.39 1614.17,3100.39 1672.78,3159 1894,3159 2005,3048 2092,3048 2110,3030 2110,2897 2128,2879 2128,2819 2114.47,2805.47 IC21.29@1985.83,2805.47
NetIC21_32: IC21.32 IC22.14 | length 1116.3
  TopLayer w5: IC22.14@1643.3,2452 1764,2452 1803,2413 1989,2413 2028,2452 2028,2609 2187,2768 v1(2187,2873) ; IC21.32@1985.83,2864.53 2036.53,2864.53 2054.34,2882.34 2073.18,2882.34 2080.53,2875 v1(2102,2875)
  BottomLayer w5: v1(2102,2875) 2104,2873 v1(2187,2873)
NetIC21_33: IC21.33 IC28.3 | length 868.4
  TopLayer w5: IC28.3@1556.87,3052.83 1625.67,3052.83 1649.18,3076.34 1649.18,3115.71 1674.46,3141 1892,3141 2001,3032 2079,3032 2100,3011 2100,2956 2078,2934 2078,2912 2059,2893 2037,2893 2028.21,2884.21 IC21.33@1985.83,2884.21
NetIC21_35: IC21.35 IC22.15 | length 1108.2
  TopLayer w5: IC22.15@1643.3,2502 1741,2502 1817,2426 1975.59,2426 2006,2456.41 2006,2628 2161,2783 2161,2910 v1(2144,2927) ; IC21.35@1985.83,2923.58 v1(2052.58,2923.58)
  BottomLayer w5: v1(2052.58,2923.58) 2056,2927 v1(2144,2927)
NetIC21_36: IC21.36 IC28.2 | length 823.7
  TopLayer w5: IC28.2@1559.87,2999.83 IC28.2@1556.87,3002.83 1624.88,3002.83 1673.23,3051.18 1673.23,3120.08 1680.15,3127 1886,3127 1994,3019 2070,3019 2084,3005 2084,2961 2065.66,2942.66 2010.61,2942.66 2010,2943.27 IC21.36@1985.83,2943.27
NetIC22_2: IC22.2 IC28.15 R26.2 | length 709.4
  TopLayer w6: v1(1289.37,3001.97) 1288.69,3001.29 1342.73,3001.29 IC28.15@1344.28,3002.83 ; IC22.2@1424.7,2508 IC22.2@1430.7,2502
  TopLayer w10: v1(1264.36,2617.89) 1288.19,2594.06 R26.2@1288.19,2560.06 ; R26.2@1288.19,2559.06 R26.2@1288.19,2560.06 ; IC22.2@1424.7,2508 1340.25,2508 R26.2@1288.19,2560.06
  BottomLayer w6: v1(1264.36,2617.89) 1270.36,2623.89 1270.36,2685.66 1254.52,2701.5 1254.52,2716.28 1280.69,2742.45 1280.69,2790.89 1287.53,2797.73 1287.53,2812.51 1276.2,2823.83 1276.2,2938.17 1289.37,2951.34 v1(1289.37,3001.97)
NetIC22_3: IC22.3 IC28.14 R27.2 | length 987.6
  TopLayer w6: v1(1215.36,3113.89) 1276.42,3052.83 IC28.14@1344.28,3052.83 ; v1(1239.26,2779.2) 1239.26,2756.81 1240.16,2755.91 R27.2@1250,2755.91 ; R27.2@1250,2754.72 R27.2@1250,2755.91 ; v1(1299.21,2755.91) R27.2@1250,2755.91 ; v1(1376,2452) IC22.3@1430.7,2452
  BottomLayer w6: v1(1215.36,3113.89) 1215.36,2794.89 v1@1234.36,2775.89 ; v1(1299.21,2755.91) 1312.94,2742.17 1312.94,2676.76 1310.9,2674.71 1310.9,2665.48 1376,2600.38 1376,2573.23 1362.16,2559.39 1362.16,2544.61 1376,2530.77 v1(1376,2452)
NetIC22_4: IC22.4 IC28.13 R28.2 | length 1015.9
  TopLayer w6: v1(1269.69,2805.12) 1288.19,2823.62 R28.2@1288.19,2844.49 ; v1(1269.69,3100.39) 1272.13,3102.83 IC28.13@1344.28,3102.83 ; v1(1382,2401) 1383,2402 IC22.4@1430.7,2402
  BottomLayer w6: v1(1269.69,3100.39) 1259.84,3090.55 1259.84,2977.99 1267.84,2969.99 1267.84,2945.37 1258,2935.52 1258,2904.76 1240.52,2887.28 1240.52,2818.73 1254.13,2805.12 v1(1269.69,2805.12) 1269,2804.43 1269,2756.74 1243.52,2731.26 1243.52,2476.95 1319.47,2401 v1(1382,2401)
NetIC22_5: IC22.5 IC28.12 R29.2 | length 1126.3
  TopLayer w6: v1(1250,2952.76) R29.2@1250,2983.46 ; v1(1250,3149.61) 1253.23,3152.83 IC28.12@1344.28,3152.83 ; v1(1381,2353) 1382,2352 IC22.5@1430.7,2352
  BottomLayer w6: v1(1250,3149.61) 1233.2,3132.81 1233.2,3106.5 1229.52,3102.81 1229.52,2973.24 v1(1250,2952.76) 1226.52,2929.28 1226.52,2799.29 1234.73,2799.29 1236.97,2797.05 1246.65,2797.05 1258,2785.7 1258,2761.29 1232.52,2735.81 1232.52,2458.43 1281.73,2409.21 1281.73,2399.37 1328.1,2353 v1(1381,2353)
NetIC22_6: IC22.6 R17.1 T27.1 | length 1139.7
  TopLayer w6: R17.1@1241.34,3218.5 1241.34,3197.64 v1(1259.84,3179.13)
  TopLayer w10: v1(1383,2302) IC22.6@1430.7,2302
  BottomLayer w6: v1(1259.84,3179.13) 1240.16,3179.13 1197.52,3136.5 1197.52,2694.65 1216.63,2675.54 1216.63,2559.66 1210.63,2553.66 1210.63,2450.79 1324.84,2336.57 1348.43,2336.57 1368.11,2316.89 ; T27.1@1350.39,2289.37 1350.39,2299.17 1368.11,2316.89 ; v1(1383,2302) 1368.11,2316.89
NetIC22_11: IC22.11 R135.2 R136.1 T26.3 | length 3101.4
  TopLayer w5: R135.2@704.5,3637 v1(787,3637) ; IC22.11@1643.3,2302 1661,2302 1693.5,2334.5 R136.1@1717,2334.5 1711,2340.5 v1(1711,2422)
  BottomLayer w5: v1(787,3637) 860.63,3710.63 860.63,3754.33 892.42,3786.12 1649.4,3786.12 1660.41,3775.11 1660.41,3767.82 1679.45,3748.78 1726.02,3748.78 1781.34,3693.46 1781.34,3385.52 1729.5,3333.69 1729.5,3307.09 1680.29,3257.87 1680.29,3176.35 1525.59,3021.65 1525.59,2687.01 1581.22,2631.37 1614.77,2631.37 1631.52,2614.63 1631.52,2586.82 1626.14,2581.44 1626.14,2549.86 1711,2465 v1(1711,2422) 1711,2390.13 1653.54,2332.68 T26.3@1653.54,2206.72
NetIC28_10: IC28.10 R17.2 | length 85.2
  TopLayer w6: R17.2@1278.35,3218.5 1299.21,3239.37 1299.21,3248.03 1304.02,3252.83 IC28.10@1344.28,3252.83
NetIC29_1: IC29.1 IC29.3 R16.2 R149.2 | length 501
  TopLayer w10: v1(673,3052) 674.9,3053.9 697,3053.9 ; IC29.3@812.29,2962.89 718.21,2962.89 697,2984.1 697,3053.9 ; IC29.1@812.29,3062.89 736.35,3062.89 R149.2@727.36,3053.9 697,3053.9
  BottomLayer w10: R16.2@616,2969 R16.2@599.94,2969 599.94,3032.94 619,3052 v1(673,3052) v1@673,3054.42
NetIC29_4: IC29.4 IC29.6 R15.2 R146.2 | length 428.8
  TopLayer w10: v1(643,2849) 644,2850 698.82,2850 ; IC29.6@812.29,2812.89 R146.2@708.36,2812.89 698.82,2822.43 698.82,2850 ; IC29.4@812.29,2912.89 718.01,2912.89 698.82,2893.7 698.82,2850
  BottomLayer w10: R15.2@590.94,2824 615.94,2849 v1(643,2849)
NetIC29_7: IC29.7 IC29.9 R14.2 R143.2 | length 423.3
  TopLayer w10: v1(651,2660) 680.06,2660 707.87,2687.8 ; IC29.9@812.29,2662.89 732.78,2662.89 707.87,2687.8 ; IC29.7@812.29,2762.89 R143.2@707.87,2762.89 707.87,2687.8
  BottomLayer w10: R14.2@596.94,2676 635,2676 v1(651,2660)